# Altium PCB Archimajor.PcbDoc (part 5 of 12) (continued)
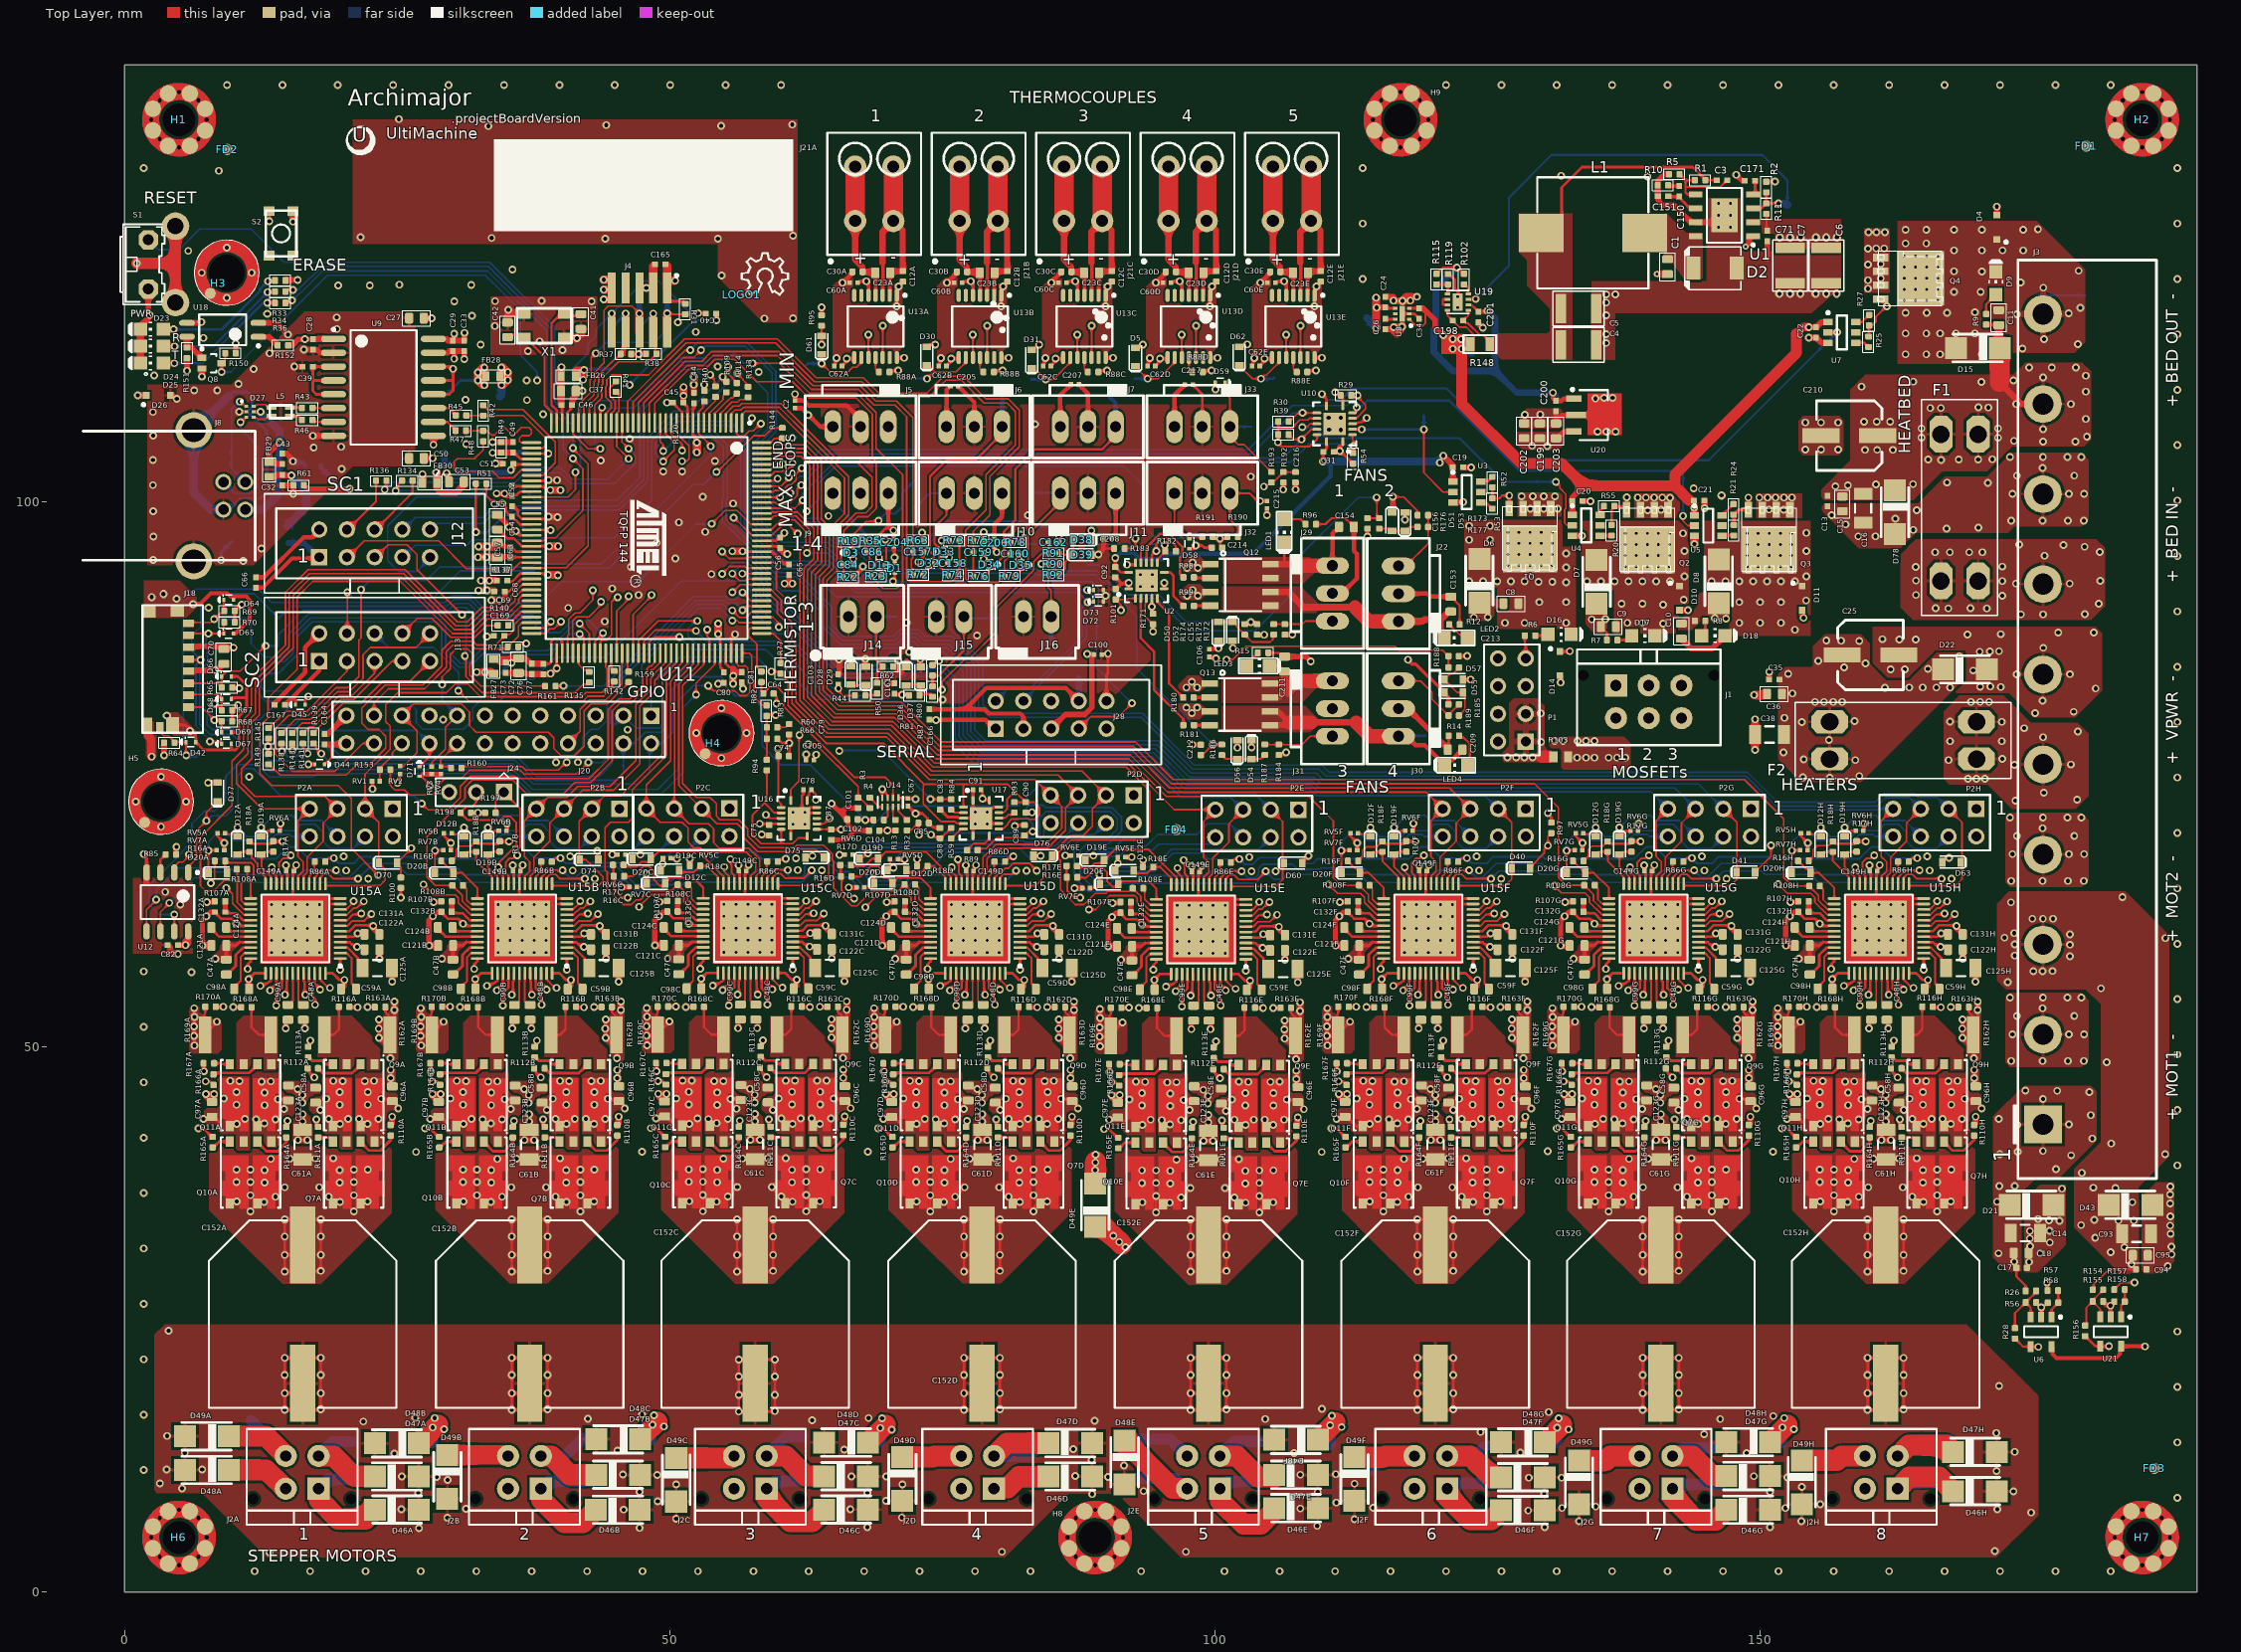
[diagram p0: Top Layer view]
## Nets (pads, with @x,y where several pads share a name; then routed paths per layer and width w, separated by ;. In a path a pad name is that pad's centre, name@x,y a point inside that pad or via, vN(x,y) a via of type N, cw(c..) or ccw(c..) an arc to the next point about the centre after c; other vN are vias at no path point) (continued)
  Top Layer w0.254: J18.11@4.75,79.501 5.602,79.501 6.541,78.563 D42.A@6.541,77.929 7.253,77.216 9.804,77.216 ; RV5A.2@8.525,69.56 8.525,69.31 v1(9.15,68.685) RV7A.2@9.15,68.01 ; D67.A@9.797,77.782 9.797,77.223 9.804,77.216 ; D69.A@9.797,78.816 10.439,78.816 10.49,78.766 ; D68.A@9.797,81.89 9.899,81.991 11.125,81.991 11.201,81.915 ; D66.A@9.797,83.947 10.393,83.947 11.201,83.139 11.201,81.915 ; RV6A.2@14.25,69.785 14.333,69.868 14.333,70.368 14.428,70.463 v1(14.302,70.463) ; RV5B.2@29.3,69.56 29.3,69.31 v1(29.925,68.685) RV7B.2@29.925,68.01 ; C29.2@30.201,113.628 30.224,113.651 C29.2@30.226,113.653 ; v1(33.223,87.607) 33.211,87.607 33.198,87.62 C169.2@33.891,87.62 ; R49.1@34.521,105.423 R49.1@34.544,105.446 ; RV6B.2@35.025,69.785 35.108,69.868 35.108,70.368 35.203,70.463 v1(35.077,70.463) ; C49.2@35.588,105.446 C49.2@35.611,105.423 ; 36.298,96.888 U11.54@37.329,96.888 ; C74.2@60.933,76.649 v1@60.933,77.834 ; v1(60.943,77.834) C79.2@60.943,78.634 ; C78.1@62.268,73.559 62.24,73.531 62.24,73.137 62.123,73.02 62.123,71.655 U16.15@62.343,71.434 ; v1(62.491,76.81) 62.491,76.761 v1@62.493,76.759 ; C62A.1@65.09,112.409 65.173,112.492 65.173,112.897 65.288,113.013 v1(65.288,113.136) ; v1(65.842,120.052) C60A.1@66.508,120.052 ; U13A.14@70.815,113.189 70.844,113.159 v1(71.49,113.159) ; v1(70.815,117.874) U13A.1@70.815,118.889 v1@70.815,119.615 ; v1(70.993,119.717) v1@70.934,119.717 ; C12A.2@71.374,120.156 v1@70.934,119.717 ; C67.1@71.843,72.059 72.518,71.384 v1(72.543,71.384) 73.168,71.384 73.618,70.934 73.618,70.634 C85.1@73.743,70.509 73.743,70.484 73.895,70.332 73.921,70.332 74.158,70.094 74.733,70.094 C88.2@74.768,70.059 ; v3@72.843,94.384 v3(72.793,94.434) 73.246,94.888 C157.2@73.246,95.379 ; D32.A@73.27,94.384 73.293,94.361 D32.A@73.293,94.334 ; C62B.1@74.666,112.409 74.749,112.492 74.749,112.897 74.864,113.013 v1(74.864,113.136) ; C83.2@74.793,71.734 74.818,71.734 74.971,71.582 74.971,71.557 75.48,71.047 76.407,71.047 76.465,70.99 76.611,70.99 76.628,70.973 76.639,70.973 76.652,70.96 U17.4@76.919,70.96 U17.15@78.55,70.96 ; v1(75.418,120.052) C60B.1@76.084,120.052 ; U17.7@77.8,69.329 77.8,70.21 U17.15@78.55,70.96 ; C91.1@77.818,73.559 77.8,73.541 U17.1@77.8,72.591 77.8,71.71 v2(78,71.51) U17.15@78.55,70.96 ; U17.10@80.181,70.46 79.05,70.46 U17.15@78.55,70.96 ; U17.13@80.181,71.96 80.18,71.959 79.693,71.959 79.594,71.86 79.45,71.86 U17.15@78.55,70.96 ; U13B.14@80.391,113.189 80.42,113.159 v1(81.066,113.159) ; v1(80.391,117.874) U13B.1@80.391,118.889 v1@80.391,119.615 ; v1(80.568,119.717) v1@80.51,119.717 ; C12B.2@80.949,120.156 v1@80.51,119.717 ; C62C.1@84.241,112.409 84.324,112.492 84.324,112.897 84.44,113.013 v1(84.44,113.136) ; v1(84.994,120.052) C60C.1@85.66,120.052 ; C100.1@89.599,85.959 89.649,86.009 89.724,85.934 89.824,86.035 v1(90.167,86.035) 90.167,84.259 90.037,84.128 J28.10@90.037,81.696 ; U13C.14@89.966,113.189 89.996,113.159 v1(90.641,113.159) ; v1(89.966,117.874) U13C.1@89.966,118.889 v1@89.966,119.615 ; v1(90.144,119.717) v1@90.086,119.717 ; C12C.2@90.525,120.156 v1@90.086,119.717 ; C62D.1@93.817,112.409 93.9,112.492 93.9,112.897 94.016,113.013 v1(94.016,113.136) ; v1(94.57,120.052) C60D.1@95.236,120.052 ; D58.A@97.643,95.659 98.043,95.659 98.218,95.834 v1(98.218,95.959) 98.793,95.959 98.993,95.759 C214.2@99.693,95.759 ; v1(97.918,77.684) C212.2@98.693,77.684 ; C217.1@97.943,110.709 98.815,109.837 J33.2@98.815,106.846 ; C106.1@99.468,85.734 99.944,85.734 v1(100.068,85.61) ; U13D.14@99.542,113.189 99.572,113.159 v1(100.217,113.159) ; v1(99.542,117.874) U13D.1@99.542,118.889 v1@99.542,119.615 ; v1(99.72,119.717) v1@99.662,119.717 ; C12D.2@100.101,120.156 v1@99.662,119.717 ; D52.A@101.593,87.234 101.593,86.559 v1(101.618,86.534) ; v1(102.028,77.42) D56.A@102.028,78.084 ; C62E.1@103.393,112.409 103.476,112.492 103.476,112.897 103.591,113.013 v1(103.591,113.136) ; C155.2@103.843,87.784 103.868,87.784 103.844,87.76 v1(104.493,87.76) ; v1(104.145,120.052) C60E.1@104.811,120.052 ; v1(104.743,98.734) C215.1@104.743,99.342 ; U13E.14@109.118,113.189 109.147,113.159 v1(109.793,113.159) ; v1(109.118,117.874) U13E.1@109.118,118.889 v1@109.118,119.615 ; v1(109.296,119.717) v1@109.237,119.717 ; C12E.2@109.677,120.156 v1@109.237,119.717 ; v3(111.418,104.609) 111.465,104.609 112.465,103.609 112.465,103.607 112.617,103.454 R54.1@112.643,103.454 ; 111.533,105.024 111.711,105.202 U10.1@111.711,105.484 ; RV5F.2@112.4,69.56 112.4,69.31 v1(113.025,68.685) RV7F.2@113.025,68.01 ; U8.7@117.152,117.205 U8.2@117.802,117.205 ; RV6F.2@118.125,69.785 118.208,69.868 118.208,70.368 118.303,70.463 v1(118.177,70.463) ; R119.1@121.381,120.91 121.97,120.321 121.97,119.52 122.282,119.208 U19.9@122.282,118.286 ; RV5G.2@133.05,69.56 133.05,69.31 v1(133.675,68.685) RV7G.2@133.675,68.01 ; RV6G.2@138.775,69.785 138.858,69.868 138.858,70.368 138.953,70.463 v1(138.827,70.463) ; RV5H.2@153.7,69.56 153.7,69.31 v1(154.325,68.685) RV7H.2@154.325,68.01 ; RV6H.2@159.425,69.785 159.508,69.868 159.508,70.368 159.603,70.463 v1(159.477,70.463) ; 9.804,77.216 10.183,77.216 10.49,77.523 10.49,78.766 ; 10.49,78.766 10.49,80.29 11.201,81.001 11.201,81.915 ; v1@70.815,119.615 70.833,119.615 v1@70.934,119.717 ; v1@70.815,119.615 70.916,119.717 v1@70.934,119.717 ; v1@80.391,119.615 80.408,119.615 v1@80.51,119.717 ; v1@80.391,119.615 80.492,119.717 v1@80.51,119.717 ; v1@89.966,119.615 89.984,119.615 v1@90.086,119.717 ; v1@89.966,119.615 90.068,119.717 v1@90.086,119.717 ; v1@99.542,119.615 99.56,119.615 v1@99.662,119.717 ; v1@99.542,119.615 99.644,119.717 v1@99.662,119.717 ; v1@109.118,119.615 109.136,119.615 v1@109.237,119.717 ; v1@109.118,119.615 109.219,119.717 v1@109.237,119.717
  Top Layer w0.279: v1@35.865,97.308 35.878,97.308 36.298,96.888 ; v3@72.843,94.384 D32.A@73.27,94.384
  Top Layer w0.292: v1(66.812,94.718) 66.812,94.831 67.064,95.084 67.064,95.305 D3.A@67.068,95.309 ; C86.2@69.075,95.384 69.133,95.326 69.133,94.918 v3(69.191,94.861) ; C159.2@78.785,95.337 78.793,95.329 v3(78.793,94.734) 78.864,94.663 78.864,94.213 D34.A@78.868,94.209 ; D35.A@81.743,94.159 81.747,94.163 81.747,94.3 81.993,94.546 v1(81.993,94.659) 82.073,94.74 82.073,95.102 82.177,95.206 C160.2@82.179,95.206
  Top Layer w0.305: v1(1.778,67.666) 1.778,67.556 2.032,67.301 U12.4@2.032,65.971 ; C54.2@35.629,99.607 36.093,99.143 ; v1@38.768,98.388 v1@38.892,98.512 ; v3@38.831,101.888 38.887,101.944 v3(38.887,101.956) ; v3(39.629,84.686) v3@39.629,84.753 ; 40.922,108.469 40.922,108.728 C46.2@41.046,108.852 ; RV5C.2@50.073,67.276 50.123,67.226 v1(50.648,67.226) ; 55.629,87.494 55.943,87.808 v3(55.982,87.808) 55.982,87.847 v3@56.109,87.974 ; C56.2@59.968,96.678 C56.2@60.124,96.678 ; C92.1@90.843,93.034 90.868,93.034 90.995,92.907 90.995,92.882 91.389,92.488 91.399,92.488 ; R101.2@90.875,91.964 91.399,92.488 ; v1(91.928,94.2) U2.13@92.686,94.2 ; v1@92.068,92.488 91.399,92.488 ; v1(110.993,110.009) 111.106,110.009 111.51,109.606 R29.1@111.51,109.692 ; v1(182.085,26.262) 182.095,26.252 182.095,25.231 U21.2@182.105,25.221
  Top Layer w0.356: C105.1@62.493,76.259 v1@62.493,76.759
  Top Layer w0.381: v4(6.299,90.564) 6.926,90.564 7.929,91.567 7.976,91.567 7.985,91.577 9.414,91.577 9.703,91.288 11.148,91.288 11.489,90.947 11.489,89.188 10.183,87.882 D65.A@10,87.882 ; C84.2@66.812,94.349 v1(66.812,94.718)
  Top Layer w0.406: C66.1@12.04,93.046 12.769,93.046 16.408,96.686 17.221,96.686 J12.2@17.856,97.321 ; C167.1@13.75,81.486 16.577,84.313 16.577,86.618 J13.2@17.856,87.897 ; 27.35,74.96 27.376,74.986 RV3.2@28.172,74.986 RV4.2@28.997,74.986 ; J24.3@29.77,73.34 J24.3@29.77,73.352 ; C57.1@34.177,94.882 34.235,94.941 35.408,94.933 C63.2@35.433,94.933 ; v1(44.713,67.619) RV6C.2@45.213,67.619 ; C165.1@48.489,121.58 C165.1@48.65,121.741 ; v1(56.7,82.81) 56.7,83.07 v1@56.726,83.097 ; v1(58.419,69.463) 58.523,69.359 C75.2@59.118,69.359 ; v1@60.865,92.46 v1@60.868,92.458 ; v1@60.87,92.46 60.907,92.497 60.907,93.216 C65.2@60.943,93.252 ; v1(61.478,109.835) 61.478,109.259 C2.1@61.471,109.252 62.289,109.252 62.741,108.801 66.226,108.801 67.488,107.539 J5.2@67.488,106.846 ; C87.2@64.793,68.959 66.099,68.959 66.871,69.731 66.871,69.809 ; v1(64.819,72.276) 64.826,72.276 65.684,71.418 ; v1(65.555,67.595) RV6D.2@66.055,67.595 ; v1(65.842,120.052) 66.657,120.867 66.657,120.961 C30A.1@66.733,121.038 ; C101.1@67.268,71.88 66.146,71.88 65.684,71.418 ; C104.1@68.268,69.809 66.871,69.809 ; 70.557,95.481 C204.1@70.557,95.881 ; RV5D.2@70.96,67.17 v1(71.523,67.17) ; C166.2@73.794,79.978 78.928,79.978 79.203,79.703 79.33,79.703 J28.1@79.877,79.156 ; v1(75.418,120.052) 76.233,120.867 76.233,120.961 C30B.1@76.309,121.038 ; C205.1@76.425,110.581 77.914,109.092 J6.2@77.914,106.846 ; C206.1@79.757,95.831 79.757,95.531 v1(79.957,95.331) ; v1(84.994,120.052) 85.052,120.111 85.052,120.205 85.783,120.936 85.808,120.936 85.885,121.012 C30C.1@85.885,121.038 ; C162.2@85.665,96.231 85.665,96.839 v1(85.682,96.856) ; v1(86.263,67.519) RV6E.2@86.763,67.519 ; C207.1@87.5,110.731 88.341,109.89 J7.2@88.341,106.846 ; D39.A@88.632,95.106 89.271,95.106 v1(89.3,95.135) 89.768,95.603 C208.1@89.768,96.61 ; RV5E.2@91.773,67.376 v1(92.348,67.376) ; v1(94.57,120.052) 95.384,120.867 95.384,120.961 C30D.1@95.46,121.038 ; v1(104.145,120.052) 104.96,120.867 104.96,120.961 C30E.1@105.036,121.038 ; v1(107.368,101.084) C216.2@107.368,101.734 ; 131.217,107.886 131.346,107.758 131.659,107.758 131.808,107.906 U20.2@133.092,107.906 ; v1(147.766,129.948) 148.269,129.445 148.494,129.445 C171.1@148.541,129.398 ; C35.2@150.798,83.665 150.798,84.362 v1(150.809,84.373) ; v1(171.654,127.024) 171.668,127.01 D4.A@171.668,126.241 ; 65.684,71.418 66.166,70.936 66.192,70.936 66.268,70.86 C102.1@66.268,70.834 66.341,70.762 66.341,70.339 66.871,69.809
  Top Layer w0.432: C55.1@34.188,98.814 34.865,98.136 34.865,98.124 35.111,97.879 35.123,97.879 v1@35.204,97.798
  Top Layer w0.457: v1@56.591,83.021 C81.2@56.591,83.402 ; 116.837,115.36 117.152,115.675 117.152,116.01 U8.7@117.152,117.205 v1@117.152,118.39 ; R155.1@181.417,26.64 181.417,26.614 181.77,26.262 v1@181.874,26.262 ; v1@182.085,26.264 182.113,26.264 182.438,26.589 R158.1@182.438,26.614
  Top Layer w0.483: v1(7.162,59.275) 7.143,59.295 7.143,61.581 v1(7.515,61.953) 7.887,62.325 C132A.1@8.287,62.325 ; v1(27.937,59.275) 27.918,59.295 27.918,61.581 v1(28.29,61.953) 28.662,62.325 C132B.1@29.062,62.325 ; v1(48.645,59.3) 48.626,59.319 48.626,61.605 v1(48.998,61.978) 49.37,62.35 C132C.1@49.77,62.35 ; v1(69.487,59.275) 69.468,59.295 69.468,61.581 v1(69.84,61.953) 70.212,62.325 C132D.1@70.612,62.325 ; v1(90.195,59.2) 90.176,59.219 90.176,61.505 v1(90.548,61.878) 90.92,62.25 C132E.1@91.32,62.25 ; v1(111.037,59.275) 111.018,59.295 111.018,61.581 v1(111.39,61.953) 111.762,62.325 C132F.1@112.162,62.325 ; v1(131.688,59.275) 131.668,59.295 131.668,61.581 v1(132.04,61.953) 132.413,62.325 C132G.1@132.813,62.325 ; v1(152.338,59.275) 152.318,59.295 152.318,61.581 v1(152.691,61.953) 153.063,62.325 C132H.1@153.463,62.325
  Top Layer w0.508: v1(1.219,109.716) D26.C@1.77,109.716 ; D25.C@1.465,112.682 D24.C@1.465,114.231 D23.C@1.465,115.781 1.465,116.064 2.306,116.905 v1(2.306,117.077) 2.184,117.199 S1.2@2.184,119.47 ; C82.2@3.981,59.316 C82.2@3.974,59.316 3.991,59.316 4.199,59.108 4.199,58.877 4.545,58.531 4.861,58.531 v1(4.9,58.492) ; U18.3@5.729,116.361 6.973,116.361 v1(7.053,116.441) ; J18.6@5.89,86.626 5.971,86.707 C70.1@9.277,86.707 ; v3(7.102,111.44) Q8.2@7.102,112.164 ; R61.1@16.464,101.48 16.802,101.142 v3(20.638,101.142) ; C164.2@18.339,78.67 18.661,78.67 J20.23@20.345,80.354 ; v1(22.809,61.075) 22.835,61.05 22.835,60.833 C131A.1@23.367,60.3 ; v1@23.367,58.053 C122A.1@23.367,58.9 ; v1(24.537,55.969) C125A.1@24.537,57.2 ; C27.2@27.452,116.803 27.477,116.828 27.529,116.776 v1(28.162,116.776) ; C50.2@27.604,103.798 C50.2@27.452,103.95 v1(28.27,103.95) ; U9.9@28.324,106.008 28.336,105.996 v1(28.336,105.191) ; U9.15@28.324,113.628 29.645,113.628 29.8,113.782 C33.2@31.175,113.782 31.159,113.767 v3(31.159,113.049) ; v1(29.54,102.591) 29.529,102.591 29.72,102.399 C53.1@29.72,102 ; C29.2@30.124,113.78 30.11,113.766 30.224,113.651 30.237,113.639 30.235,113.637 v1(30.235,113.076) ; v1(33.757,105.423) R49.1@34.521,105.423 ; v3(34.12,100.724) 34.843,100.724 v1(34.852,100.716) 34.883,100.716 35.077,100.521 C52.2@35.364,100.521 ; R49.1@34.544,105.446 C49.2@35.588,105.446 ; C73.2@34.9,84.269 36.772,84.269 36.879,84.163 C76.2@37.372,84.163 38.413,84.163 C77.2@38.415,84.161 v3@38.964,84.161 ; v1@35.204,97.626 35.56,97.27 35.598,97.308 v1@35.865,97.308 ; v3(39.065,84.214) 39.091,84.214 v3@39.419,84.542 ; v3(39.629,84.686) 39.485,84.542 v3@39.419,84.542 ; v3@39.629,84.753 v3@39.419,84.542 ; C46.2@41.021,108.878 C46.2@41.046,108.852 41.046,109.243 ; C37.1@41.267,109.622 41.046,109.401 41.046,109.243 ; C37.1@41.281,110.296 41.281,109.477 41.046,109.243 ; v1(43.584,61.075) 43.61,61.05 43.61,60.833 C131B.1@44.142,60.3 ; v1@44.142,58.053 C122B.1@44.142,58.9 ; v1(45.312,55.969) C125B.1@45.312,57.2 ; v1(45.558,64.634) RV7C.2@46.283,64.634 ; v1(49.745,109.068) C45.2@50.267,109.068 ; C44.2@52.197,109.894 v1@52.197,110.605 ; v1(54.433,83.275) 54.351,83.275 54.428,83.351 C80.2@54.966,83.351 ; C56.2@60.124,96.678 60.493,97.047 v1(60.493,97.109) ; v1(64.292,61.099) 64.317,61.074 64.317,60.858 C131C.1@64.85,60.325 ; v1(64.851,58.077) C122C.1@64.85,58.925 ; C103.2@65.432,84.155 C103.2@65.444,84.144 ; C103.2@65.444,84.144 65.518,84.22 v1(65.518,85.509) ; v1(66.02,55.993) C125C.1@66.02,57.225 ; v1(66.4,64.61) RV7D.2@67.125,64.61 ; D29.A@67.907,84.876 v3@67.907,85.515 ; v1(69.966,83.306) 69.972,83.3 C161.2@70.549,83.3 ; D37.A@72.962,84.81 v3@72.962,85.381 ; v1(85.134,61.075) 85.16,61.05 85.16,60.833 C131D.1@85.692,60.3 ; v1@85.692,58.053 C122D.1@85.692,58.9 ; v1(86.862,55.969) C125D.1@86.862,57.2 ; v1(87.108,64.534) RV7E.2@87.833,64.534 ; v1(105.842,60.999) 105.867,60.974 105.867,60.758 C131E.1@106.4,60.225 ; v1(106.401,57.977) C122E.1@106.4,58.825 ; v1(107.57,55.893) C125E.1@107.57,57.125 ; C31.1@111.052,104.609 v3(111.418,104.609) v3@111.418,104.931 ; C26.2@115.592,115.792 116.252,115.792 v1@116.354,115.69 ; C24.2@115.617,118.764 116.319,118.764 v1@116.374,118.708 ; U3.3@121.795,99.911 v1@122.72,99.911 ; C19.1@122.745,103.111 v1@123.42,103.111 ; C201.1@124.129,116.429 124.129,116.32 v3(124.535,115.913) ; v1(126.684,61.075) 126.71,61.05 126.71,60.833 C131F.1@127.242,60.3 ; v1@127.242,58.053 C122F.1@127.242,58.9 ; v1(128.412,55.969) C125F.1@128.412,57.2 ; C203.2@131.249,107.142 131.249,107.661 ; D14.A@131.619,84.017 131.669,83.966 v1(131.669,83.382) ; U4.3@132.75,96.844 v1(133.65,96.844) ; C20.1@133.7,100.019 v1(134.425,100.019) ; R5.1@141.616,130.015 141.226,130.015 140.575,129.364 R10.1@140.575,128.974 140.576,128.973 140.576,127.694 140.957,127.17 142.046,127.17 143.62,125.596 U1.7@144.275,125.596 ; D10.A@142.624,90.034 v1(143.343,90.034) ; v1@144.872,99.421 C21.1@144.872,100.089 ; v1(147.334,61.075) 147.36,61.05 147.36,60.833 C131G.1@147.893,60.3 ; v1@147.893,58.053 C122G.1@147.893,58.9 ; v1(149.063,55.969) C125G.1@149.063,57.2 ; 150.605,122.248 C71.1@150.605,123.698 ; D11.A@153.825,90.03 153.825,89.319 v1(153.952,89.319) ; v1(154.426,115.017) C22.2@155.103,115.017 ; C22.2@155.104,115.016 155.577,114.543 U7.3@156.188,114.543 ; v1(167.985,61.075) 168.01,61.05 168.01,60.833 C131H.1@168.543,60.3 ; v1@168.543,58.053 C122H.1@168.543,58.9 ; v1(169.713,55.969) C125H.1@169.713,57.2
  Top Layer w0.559: v1(7.162,59.275) C121A.1@7.982,59.275 ; v1(27.937,59.275) C121B.1@28.757,59.275 ; v1(48.645,59.3) C121C.1@49.465,59.3 ; v1(69.487,59.275) C121D.1@70.307,59.275 ; v1(90.195,59.2) C121E.1@91.015,59.2 ; v1(111.037,59.275) C121F.1@111.857,59.275 ; v1(131.688,59.275) C121G.1@132.508,59.275 ; U1.7@144.069,125.596 146.694,125.596 U1.9@146.694,126.231 ; v1(152.338,59.275) C121H.1@153.158,59.275 ; C97A.1@8.037,44.934 7.462,45.509 v1(7.462,45.654) 7.862,45.654 v1@8.037,45.479 ; C97A.1@8.037,44.934 8.212,45.109 v1(8.212,45.654) v1@8.037,45.479 ; C97A.1@8.037,44.934 v1@8.037,45.479 ; C97B.1@28.812,44.934 28.237,45.509 v1(28.237,45.654) 28.637,45.654 v1@28.812,45.479 ; C97B.1@28.812,44.934 28.987,45.109 v1(28.987,45.654) v1@28.812,45.479 ; C97B.1@28.812,44.934 v1@28.812,45.479 ; C97C.1@49.52,44.958 v1@49.52,45.503 ; C97C.1@49.52,44.958 49.695,45.133 v1(49.695,45.678) v1@49.52,45.503 ; C97C.1@49.52,44.958 48.945,45.533 v1(48.945,45.678) 49.345,45.678 v1@49.52,45.503 ; C97D.1@70.362,44.934 69.787,45.509 v1(69.787,45.654) 70.187,45.654 v1@70.362,45.479 ; C97D.1@70.362,44.934 70.537,45.109 v1(70.537,45.654) v1@70.362,45.479 ; C97D.1@70.362,44.934 v1@70.362,45.479 ; C97E.1@91.07,44.858 91.245,45.033 v1(91.245,45.578) v1@91.07,45.403 ; C97E.1@91.07,44.858 v1@91.07,45.403 ; C97E.1@91.07,44.858 90.495,45.433 v1(90.495,45.578) 90.895,45.578 v1@91.07,45.403 ; C97F.1@111.912,44.934 111.337,45.509 v1(111.337,45.654) 111.737,45.654 v1@111.912,45.479 ; C97F.1@111.912,44.934 112.087,45.109 v1(112.087,45.654) v1@111.912,45.479 ; C97F.1@111.912,44.934 v1@111.912,45.479 ; C97G.1@132.563,44.934 131.988,45.509 v1(131.988,45.654) 132.388,45.654 v1@132.563,45.479 ; C97G.1@132.563,44.934 132.738,45.109 v1(132.738,45.654) v1@132.563,45.479 ; C97G.1@132.563,44.934 v1@132.563,45.479 ; C97H.1@153.213,44.934 152.638,45.509 v1(152.638,45.654) 153.038,45.654 v1@153.213,45.479 ; C97H.1@153.213,44.934 153.388,45.109 v1(153.388,45.654) v1@153.213,45.479 ; C97H.1@153.213,44.934 v1@153.213,45.479
  Top Layer w0.61: 2.032,65.016 U12.4@2.032,65.971 ; S1.3@4.674,125.235 S1.3@4.674,125.331 ; v1(38.887,98.591) 39.672,98.591 v1(39.7,98.563) ; J4.5@47.219,119.579 47.221,119.581 47.803,119.581 47.8,119.578 47.827,119.551 v1(47.85,119.576) v1(47.85,119.576) ; v1@47.805,119.579 J4.3@48.489,119.579 ; v1@116.374,118.39 v1@117.152,118.39 ; v1@117.167,118.39 117.949,118.39 117.949,118.693 118.02,118.764 v1(118.501,118.764) ; v1(149.501,77.201) 149.504,77.203 C38.1@149.504,78.627 v1(149.504,80.012)
  Top Layer w0.635: v1(33.181,94.882) C57.1@34.177,94.882 ; v1(33.223,91.834) v1@33.232,91.843 ; v1(33.452,92.736) 33.46,92.744 C68.2@34.048,92.744 ; v1(34.036,103.468) C51.2@34.609,103.468 ; v1@143.935,96.055 U5.3@143.935,96.827
  Top Layer w0.66: v1@32.473,91.811 C69.2@33.896,91.811 ; C37.1@41.388,110.097 41.417,110.126 v1(41.986,110.126) ; v1(41.478,114.96) 41.859,115.341 ; v1@43.973,118.501 J4.9@44.698,118.501 ; v1@116.354,115.69 116.354,116.021 v1(117.141,116.021)
  Top Layer w0.711: C70.1@9.006,86.589 v3(10,86.589) ; v1(32.409,94.881) 32.41,94.882 v1(33.181,94.882) ; v1(32.68,92.734) 32.681,92.736 v1(33.452,92.736) ; v1(43.948,118.526) v1@43.973,118.501 ; v1(60.518,92.46) v1@60.865,92.46 ; v1@60.868,92.458 60.87,92.46 v1(61.241,92.46) ; v1@116.354,115.69 116.684,115.36 ; v1(117.141,116.021) v1@117.152,116.01 ; v1@117.152,118.39 117.167,118.39 117.54,118.764 118.02,118.764
  Top Layer w0.762: J18.13@2.132,79.406 2.132,78.481 2.45,78.163 2.45,76.633 v1(2.489,76.594) ; C42.1@35.102,116.506 35.102,116.915 35.469,117.281 36.552,117.281 X1.4@36.63,117.203 ; X1.2@40.33,115.003 40.373,114.96 v1(41.478,114.96) ; 41.859,115.341 C41.1@41.859,115.725 ; v1(43.938,120.324) J4.9@44.65,120.324 ; v1(43.943,119.41) 44.537,119.41 J4.9@44.542,119.405 ; J4.3@48.489,119.579 C165.1@48.489,121.58 ; v1(52.186,111.437) 52.197,111.426 v1(52.197,110.707) v1@52.197,110.605 ; v3(149.424,82.242) 150.502,82.242 C36.2@150.601,82.341
  Top Layer w1.016: v1(1.143,121.832) 4.674,121.832 ; S1.4@4.674,118.225 4.674,121.832 ; S1.3@4.674,125.235 4.674,121.832
  Top Layer w1.905: D49E.A@89.015,37.47 v1@89.035,39.446
  Mid1 w0.229: v1@15.633,66.654 v1(15.746,66.654) ; v1@36.408,66.654 v1(36.521,66.654) ; v1@57.116,66.679 v1(57.228,66.679) ; v1@77.958,66.654 v1(78.071,66.654) ; v1@98.666,66.579 v1(98.778,66.579) ; v1@119.508,66.654 v1(119.621,66.654) ; v1@140.159,66.654 v1(140.271,66.654) ; v1@160.809,66.654 v1(160.921,66.654)
  Mid1 w0.254: v1(62.491,76.81) v1@62.491,76.986 ; v1(100.068,85.61) v1@100.068,85.659
  Mid1 w0.406: v1@58.32,69.463 v1(58.419,69.463)
  Bottom Layer w0.406: JP2.1@18.037,103.331 18.037,103.067 18.418,102.686 18.418,102.669 19.945,101.142 v3(20.638,101.142)
  Bottom Layer w1.016: S1.4@4.928,118.225 S1.4@5.086,118.066
  other v1: 11.938,1.905 17.018,1.905 22.098,1.905 27.178,1.905 32.258,1.905 37.338,1.905 42.418,1.905 47.498,1.905 52.578,1.905 57.658,1.905 62.738,1.905 67.818,1.905 72.898,1.905 77.978,1.905 83.058,1.905 93.218,1.905 100.838,1.905 105.918,1.905 110.998,1.905 116.078,1.905 121.158,1.905 126.238,1.905 131.318,1.905 136.398,1.905 141.478,1.905 146.558,1.905 151.638,1.905 156.718,1.905 161.798,1.905 166.878,1.905 171.958,1.905 177.038,1.905 182.118,1.905 13.314,3.626 80.448,3.676 97.323,3.676 171.473,3.744 26.998,5.851 47.223,5.876 68.123,5.951 130.223,5.951 150.874,5.951 109.348,6.051 133.355,6.476 153.748,6.476 112.77,6.676 50.58,6.726 29.599,6.801 71.273,6.826 174.801,7.291 128.698,7.476 45.773,7.551 25.398,7.576 66.548,7.576 171.698,7.576 31.323,7.626 107.798,7.651 131.798,7.701 152.298,7.701 114.473,7.726 134.898,7.826 155.473,8.051 111.098,8.201 48.898,8.301 69.823,8.368 188.214,8.636 88.723,8.976 130.173,9.051 26.948,9.076 68.123,9.076 109.407,9.151 47.237,9.176 150.873,9.176 173.198,9.232 93.448,9.251 5.273,9.501 153.798,9.626 50.58,9.851 71.323,9.851 3.249,9.946 112.77,9.926 29.623,10.276 128.748,10.476 131.773,10.476 152.473,10.501 28.623,10.551 90.173,10.551 25.423,10.58 66.648,10.599 69.848,10.601 87.173,10.626 149.398,10.619 48.848,10.738 107.798,10.751 45.698,10.776 111.073,10.801 171.648,11.101 1.778,11.176 3.873,11.226 7.123,11.226 91.648,11.601 88.673,12.101 24.748,12.701 148.723,12.726 5.523,12.751 107.223,12.741 127.973,12.776 173.298,12.851 45.198,12.976 65.998,13.051 86.998,13.101 188.214,13.716 3.923,14.301 144.823,14.476 171.623,14.576 124.348,14.676 21.898,15.626 88.956,15.691 63.048,15.751 104.598,15.851 146.298,15.851 42.498,15.876 68.233,15.949 26.667,15.968 151.166,16.127 1.778,16.256 47.47,16.266 130.581,16.503 109.798,16.781 188.214,18.796 171.863,18.902 1.778,21.336 188.214,23.876 4.042,23.953 1.778,26.416 187.336,29.878 174.637,30.274 187.693,30.948 175.607,31.067 1.778,31.496 187.673,31.661 174.716,31.701 176.519,32.038 174.696,32.414 187.594,32.83 174.696,33.088 176.499,33.108 187.554,33.603 177.41,34.039 176.459,34.078 175.449,34.197 187.574,34.435 187.554,35.624 187.554,36.436 1.778,36.576 177.648,36.971 187.574,37.189 88.995,38.673 188.214,39.116 89.015,39.386 89.055,40.099 26.74,40.339 109.772,40.339 68.167,40.359 47.463,40.379 151.159,40.379 130.495,40.418 1.778,41.656 188.214,44.196 99.333,44.781 16.3,44.857 37.075,44.857 78.625,44.857 120.175,44.857 140.825,44.857 161.475,44.857 57.783,44.881 99.333,45.484 16.3,45.56 37.075,45.56 78.625,45.56 120.175,45.56 140.825,45.56 161.475,45.56 57.783,45.584 98.908,46.039 15.875,46.114 36.65,46.114 78.2,46.114 119.75,46.114 140.4,46.114 161.05,46.114 57.358,46.139 1.778,46.736 107.445,47.035 24.412,47.11 45.187,47.11 86.737,47.11 128.287,47.11 148.937,47.11 169.588,47.11 65.895,47.135 107.445,47.791 24.412,47.867 45.187,47.867 86.737,47.867 128.287,47.867 148.937,47.867 169.588,47.867 65.895,47.891 172.998,48.685 175.851,48.685 178.189,48.685 179.635,48.685 188.214,49.276 173.097,51.142 178.288,51.142 179.675,51.142 106.35,51.576 23.317,51.652 44.092,51.652 85.642,51.652 127.192,51.652 147.842,51.652 168.493,51.652 64.8,51.676 89.408,51.779 1.778,51.816 6.375,51.855 27.15,51.855 68.7,51.855 110.25,51.855 130.901,51.855 151.551,51.855 47.858,51.879 89.459,52.643 6.426,52.718 27.201,52.718 68.751,52.718 110.301,52.718 130.951,52.718 151.602,52.718 47.909,52.743 173.513,52.806 178.764,52.806 175.871,53.519 188.214,54.356 172.88,54.51 175.891,54.51 178.13,54.51 179.417,54.51 6.155,56.823 1.778,56.896 23.368,58.052 44.143,58.052 85.693,58.052 127.243,58.052 147.893,58.052 168.543,58.052 188.214,59.436 93.295,61.2 10.262,61.275 31.037,61.275 72.587,61.275 114.137,61.275 134.788,61.275 155.438,61.275 51.745,61.3 5.121,63.021 3.743,64.184 188.214,64.516 172.998,65.195 175.851,65.195 178.189,65.195 179.635,65.195 22.35,65.41 43.125,65.41 126.225,65.41 146.875,65.41 167.525,65.41 105.55,66.072 103.34,66.084 82.693,66.134 20.325,66.16 41.1,66.16 63.938,66.171 124.2,66.16 144.85,66.16 165.5,66.16 61.728,66.192 61.568,67.259 103.133,67.384 20.1,67.46 40.875,67.46 123.975,67.46 144.625,67.46 165.275,67.46 173.097,67.652 178.288,67.652 179.675,67.652 173.513,69.316 178.764,69.316 188.214,69.596 175.871,70.029 172.88,71.02 175.891,71.02 178.13,71.02 179.417,71.02 83.218,71.484 188.214,74.676 11.425,74.735 39.575,76.06 41.575,76.085 54.737,76.453 52.437,78.753 57.037,78.753 188.214,79.756 74.393,79.959 29.225,79.985 97.862,80.585 175.178,80.589 178.704,80.708 54.737,81.053 97.367,81.101 98.357,81.101 175.871,81.738 180.725,82.847 97.367,82.939 98.357,82.939 172.028,82.986 170.145,83.006 171.077,83.026 97.862,83.455 173.494,84.135 178.367,84.155 169.492,84.492 161.923,84.591 163.231,84.611 188.214,84.836 170.086,86.215 171.017,86.235 171.869,86.255 175.931,86.572 162.716,87.325 161.19,87.365 164.222,87.345 78.168,87.709 168.977,87.8 172.028,87.82 177.298,87.959 180.547,87.959 71.718,88.872 44.025,89.004 188.214,89.916 97.429,91.351 98.42,91.351 47.147,91.408 32.451,91.833 97.925,91.866 44.729,91.999 97.429,93.891 98.42,93.891 46.425,93.985 97.925,94.406 50.524,94.761 188.214,94.996 48.798,96.198 158.971,96.795 160.537,96.795 35.865,97.282 164.004,97.389 167.055,97.488 169.967,97.587 35.255,97.651 157.803,97.885 172.998,98.235 175.851,98.235 178.189,98.235 179.635,98.235 162.359,98.42 64.541,98.661 156.515,98.737 139.652,99.2 164.321,99.192 140.897,99.225 152.123,99.225 150.777,99.251 128.883,99.327 130.127,99.327 131.395,99.316 55.793,99.809 188.214,100.076 138.75,100.344 139.5,100.344 140.25,100.344 141,100.344 141.72,100.336 149.886,100.344 150.636,100.344 151.386,100.344 152.136,100.344 152.886,100.344 128.095,100.47 129.111,100.47 130.127,100.47 131.143,100.47 173.097,100.692 178.288,100.692 179.675,100.692 61.043,100.784 170.839,101.708 167.114,101.728 103.271,102.263 173.513,102.356 178.764,102.356 175.871,103.069 172.88,104.06 175.891,104.06 178.13,104.06 179.417,104.06 154.098,104.759 155.539,104.759 157.109,104.759 188.214,105.156 31.33,105.246 61.218,105.834 154.118,107.236 155.539,107.236 157.129,107.236 128.4,107.937 129.797,107.963 38.387,107.976 36.9,109.291 31.263,109.315 188.214,110.236 2.737,111.551 58.143,111.859 54.381,112.37 32.655,114.38 135.854,114.523 7.242,114.995 135.854,115.323 188.214,115.316 52.368,115.534 116.379,115.97 58.663,116.766 61.298,116.785 31.861,117.027 135.851,117.063 35.187,117.561 135.854,118.232 30.237,118.326 117.167,118.383 116.367,118.408 117.891,118.408 9.373,118.668 135.854,118.973 136.679,118.973 159.868,119.498 19.593,119.809 22.493,119.809 31.793,119.834 25.193,119.859 159.868,120.273 113.538,120.396 188.214,120.396 161.011,120.446 54.741,120.708 7.073,120.968 11.673,120.968 35.572,121.265 159.868,121.723 161.011,121.767 5.846,122.962 159.868,123.173 160.604,123.189 161.341,123.189 9.373,123.268 54.404,124.076 44.082,124.096 33.661,124.155 21.655,124.215 61.298,124.354 159.896,124.687 160.633,124.687 161.395,124.687 113.538,125.476 188.214,125.476 139.641,129.798 8.664,130.315 1.778,130.556 113.538,130.556 188.214,130.556 33.363,134.418 54.701,134.438 44.161,134.497 61.239,134.557 25.162,135.052 9.398,138.176 14.478,138.176 19.558,138.176 24.638,138.176 29.718,138.176 34.798,138.176 39.878,138.176 44.958,138.176 50.038,138.176 55.118,138.176 60.198,138.176 121.158,138.176 126.238,138.176 131.318,138.176 136.398,138.176 141.478,138.176 146.558,138.176 151.638,138.176 156.718,138.176 161.798,138.176 166.878,138.176 171.958,138.176 177.038,138.176 182.118,138.176